# KiCad board Floppy Board v3.1.kicad_pcb (continued)
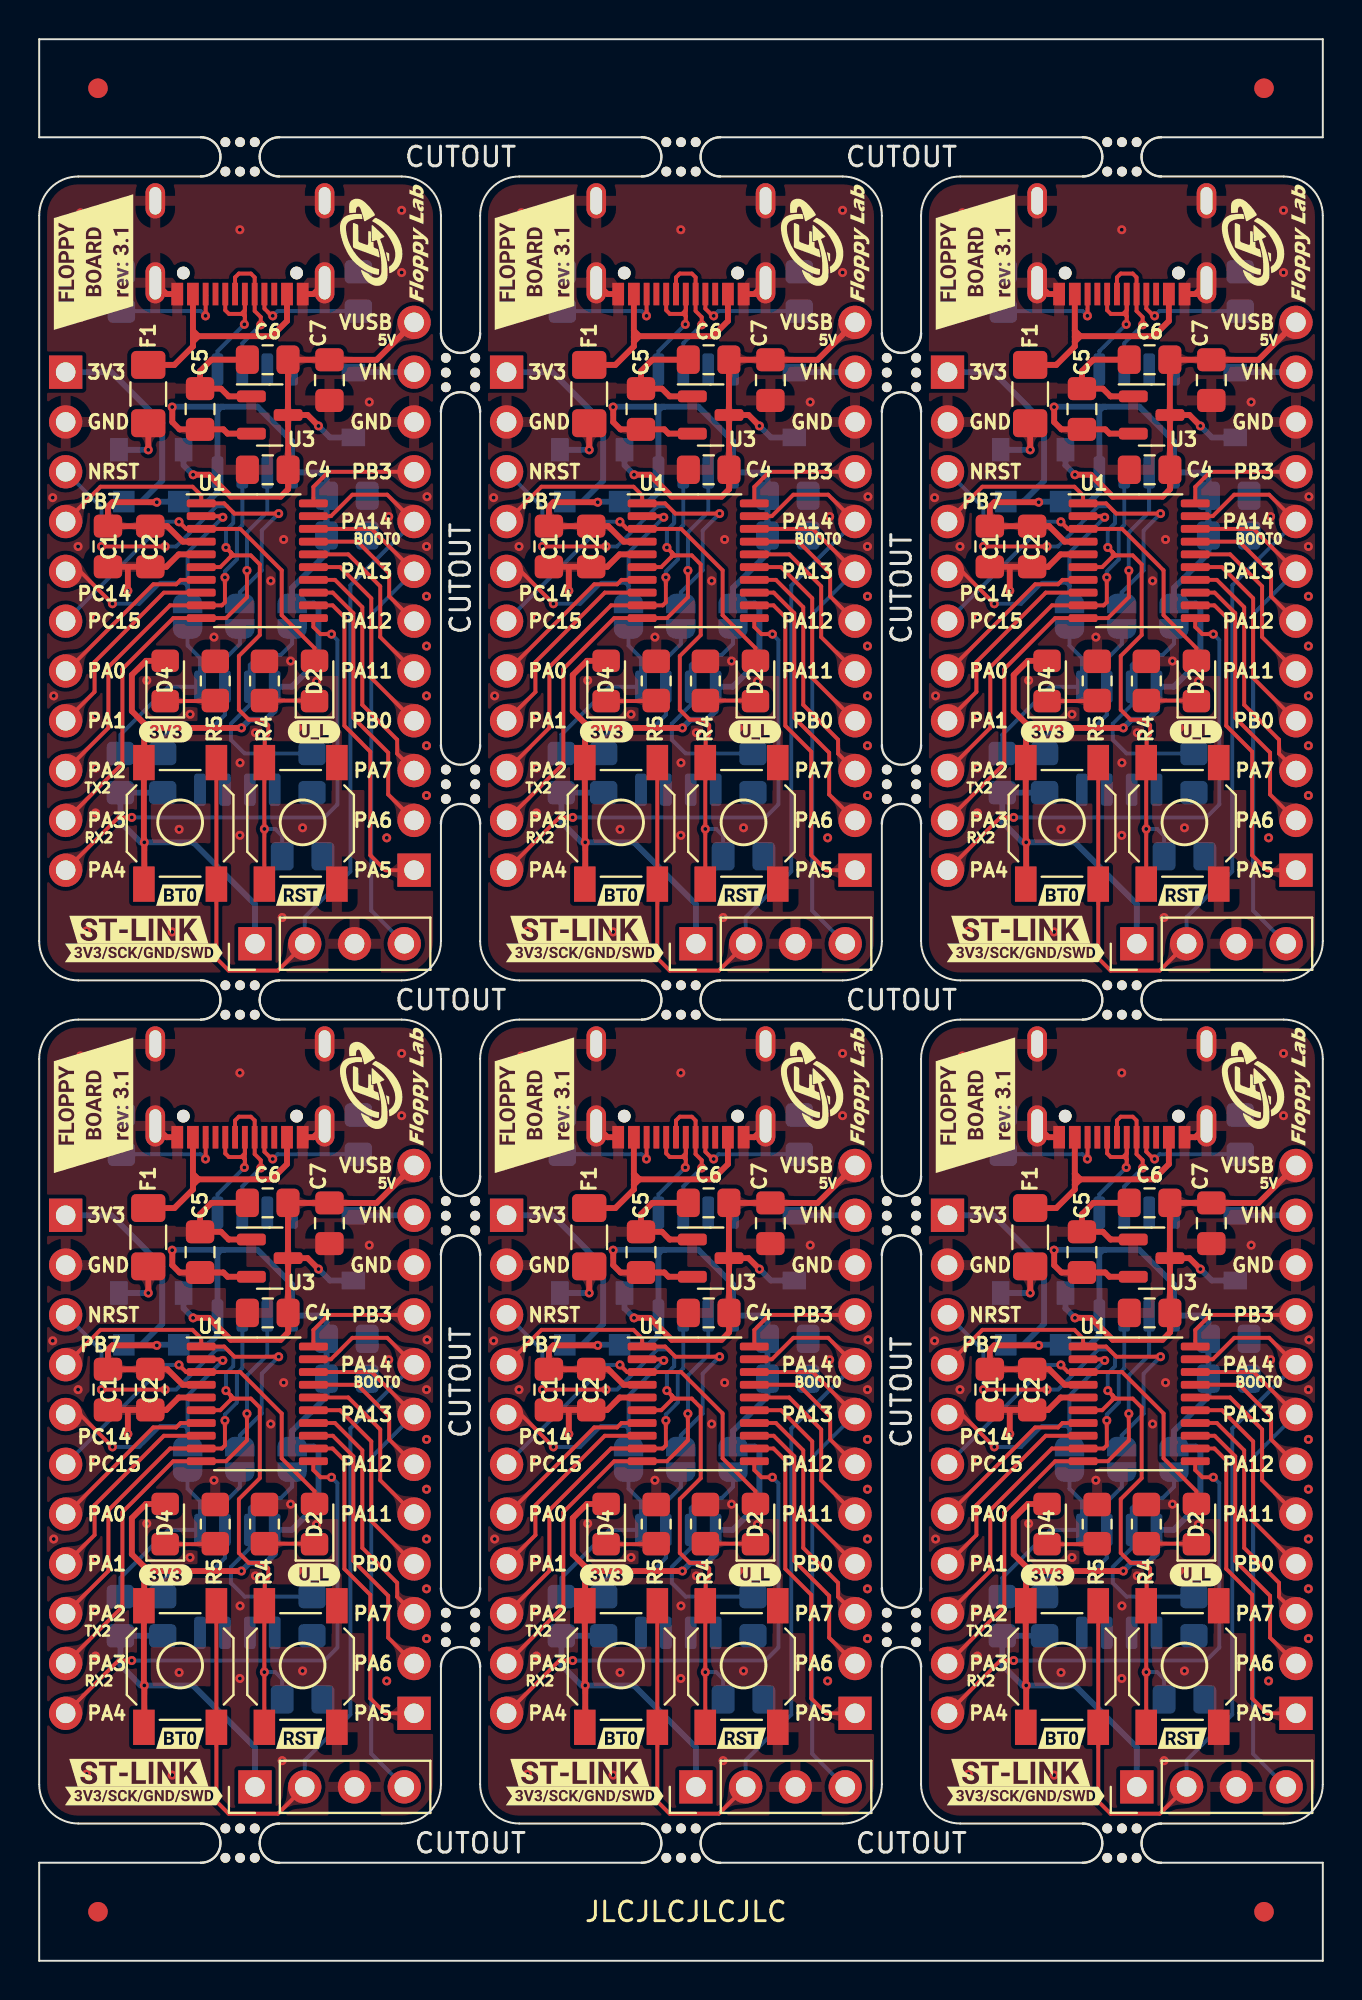
[diagram p0: board, top side]
## Copper pours and planes (outline as drawn; the poured copper is in the pictures) (continued)
PB7 on Top: 47.47,74.67 47.32,74.53 47.19,74.44 47.06,74.38 46.93,74.34 46.81,74.32 46.68,74.31 46.55,74.3 46.4,74.28 46.25,74.25 46.07,74.2 46.05,73.1 47.15,73.12 47.2,73.3 47.23,73.45 47.25,73.6 47.26,73.73 47.27,73.86 47.29,73.98 47.33,74.11 47.39,74.24 47.48,74.37 47.62,74.52
PB7 on Top: 2.47,31.67 2.32,31.53 2.19,31.44 2.06,31.38 1.93,31.34 1.81,31.32 1.68,31.31 1.55,31.3 1.4,31.28 1.25,31.25 1.07,31.2 1.05,30.1 2.15,30.12 2.2,30.3 2.23,30.45 2.25,30.6 2.26,30.73 2.27,30.86 2.29,30.98 2.33,31.11 2.39,31.24 2.48,31.37 2.62,31.52
PB7 on Top: 47.47,31.67 47.32,31.53 47.19,31.44 47.06,31.38 46.93,31.34 46.81,31.32 46.68,31.31 46.55,31.3 46.4,31.28 46.25,31.25 46.07,31.2 46.05,30.1 47.15,30.12 47.2,30.3 47.23,30.45 47.25,30.6 47.26,30.73 47.27,30.86 47.29,30.98 47.33,31.11 47.39,31.24 47.48,31.37 47.62,31.52
PB7 on Top: 24.97,74.67 24.82,74.53 24.69,74.44 24.56,74.38 24.43,74.34 24.31,74.32 24.18,74.31 24.05,74.3 23.9,74.28 23.75,74.25 23.57,74.2 23.55,73.1 24.65,73.12 24.7,73.3 24.73,73.45 24.75,73.6 24.76,73.73 24.77,73.86 24.79,73.98 24.83,74.11 24.89,74.24 24.98,74.37 25.12,74.52
PB7 on Top: 2.47,74.67 2.32,74.53 2.19,74.44 2.06,74.38 1.93,74.34 1.81,74.32 1.68,74.31 1.55,74.3 1.4,74.28 1.25,74.25 1.07,74.2 1.05,73.1 2.15,73.12 2.2,73.3 2.23,73.45 2.25,73.6 2.26,73.73 2.27,73.86 2.29,73.98 2.33,74.11 2.39,74.24 2.48,74.37 2.62,74.52
PC14 on Top: 2.87,70.22 2.73,70.37 2.61,70.51 2.52,70.63 2.45,70.75 2.33,70.97 2.26,71.08 2.18,71.2 2.08,71.32 1.95,71.46 0.93,70.92 1.62,70.05 1.75,70.1 1.87,70.15 1.99,70.2 2.1,70.24 2.2,70.27 2.3,70.28 2.4,70.27 2.51,70.24 2.62,70.17 2.73,70.08
PC14 on Top: 25.37,27.22 25.23,27.37 25.11,27.51 25.02,27.63 24.95,27.75 24.83,27.97 24.76,28.08 24.68,28.2 24.58,28.32 24.45,28.46 23.43,27.92 24.12,27.05 24.25,27.1 24.37,27.15 24.49,27.2 24.6,27.24 24.7,27.27 24.8,27.28 24.9,27.27 25.01,27.24 25.12,27.17 25.23,27.08
PC14 on Top: 2.87,27.22 2.73,27.37 2.61,27.51 2.52,27.63 2.45,27.75 2.33,27.97 2.26,28.08 2.18,28.2 2.08,28.32 1.95,28.46 0.93,27.92 1.62,27.05 1.75,27.1 1.87,27.15 1.99,27.2 2.1,27.24 2.2,27.27 2.3,27.28 2.4,27.27 2.51,27.24 2.62,27.17 2.73,27.08
PC14 on Top: 25.37,70.22 25.23,70.37 25.11,70.51 25.02,70.63 24.95,70.75 24.83,70.97 24.76,71.08 24.68,71.2 24.58,71.32 24.45,71.46 23.43,70.92 24.12,70.05 24.25,70.1 24.37,70.15 24.49,70.2 24.6,70.24 24.7,70.27 24.8,70.28 24.9,70.27 25.01,70.24 25.12,70.17 25.23,70.08
PC14 on Top: 47.87,27.22 47.73,27.37 47.61,27.51 47.52,27.63 47.45,27.75 47.33,27.97 47.26,28.08 47.18,28.2 47.08,28.32 46.95,28.46 45.93,27.92 46.62,27.05 46.75,27.1 46.87,27.15 46.99,27.2 47.1,27.24 47.2,27.27 47.3,27.28 47.4,27.27 47.51,27.24 47.62,27.17 47.73,27.08
PC14 on Top: 47.87,70.22 47.73,70.37 47.61,70.51 47.52,70.63 47.45,70.75 47.33,70.97 47.26,71.08 47.18,71.2 47.08,71.32 46.95,71.46 45.93,70.92 46.62,70.05 46.75,70.1 46.87,70.15 46.99,70.2 47.1,70.24 47.2,70.27 47.3,70.28 47.4,70.27 47.51,70.24 47.62,70.17 47.73,70.08
PC15 on Top: 13.62,67.23 13.68,67.16 13.72,67.09 13.74,67.03 13.74,66.97 13.72,66.9 13.69,66.84 13.66,66.77 13.57,66.63 13.53,66.55 14.05,66.01 14.46,66.7 13.86,67.28 13.76,67.38
PC15 on Top: 36.12,67.23 36.18,67.16 36.22,67.09 36.24,67.03 36.24,66.97 36.22,66.9 36.19,66.84 36.16,66.77 36.07,66.63 36.03,66.55 36.55,66.01 36.96,66.7 36.36,67.28 36.26,67.38
PC15 on Top: 58.62,24.23 58.68,24.16 58.72,24.09 58.74,24.03 58.74,23.97 58.72,23.9 58.69,23.84 58.66,23.77 58.57,23.63 58.53,23.55 59.05,23.01 59.46,23.7 58.86,24.28 58.76,24.38
PC15 on Top: 58.62,67.23 58.68,67.16 58.72,67.09 58.74,67.03 58.74,66.97 58.72,66.9 58.69,66.84 58.66,66.77 58.57,66.63 58.53,66.55 59.05,66.01 59.46,66.7 58.86,67.28 58.76,67.38
PC15 on Top: 36.12,24.23 36.18,24.16 36.22,24.09 36.24,24.03 36.24,23.97 36.22,23.9 36.19,23.84 36.16,23.77 36.07,23.63 36.03,23.55 36.55,23.01 36.96,23.7 36.36,24.28 36.26,24.38
PC15 on Top: 13.62,24.23 13.68,24.16 13.72,24.09 13.74,24.03 13.74,23.97 13.72,23.9 13.69,23.84 13.66,23.77 13.57,23.63 13.53,23.55 14.05,23.01 14.46,23.7 13.86,24.28 13.76,24.38
PC15 on Bottom: 47.47,69.59 47.32,69.45 47.19,69.36 47.06,69.3 46.93,69.26 46.81,69.24 46.68,69.23 46.55,69.22 46.4,69.2 46.25,69.17 46.07,69.12 46.05,68.02 47.15,68.04 47.2,68.22 47.23,68.37 47.25,68.52 47.26,68.65 47.27,68.78 47.29,68.9 47.33,69.03 47.39,69.16 47.48,69.29 47.62,69.44
PC15 on Bottom: 24.97,69.59 24.82,69.45 24.69,69.36 24.56,69.3 24.43,69.26 24.31,69.24 24.18,69.23 24.05,69.22 23.9,69.2 23.75,69.17 23.57,69.12 23.55,68.02 24.65,68.04 24.7,68.22 24.73,68.37 24.75,68.52 24.76,68.65 24.77,68.78 24.79,68.9 24.83,69.03 24.89,69.16 24.98,69.29 25.12,69.44
PC15 on Bottom: 2.47,69.59 2.32,69.45 2.19,69.36 2.06,69.3 1.93,69.26 1.81,69.24 1.68,69.23 1.55,69.22 1.4,69.2 1.25,69.17 1.07,69.12 1.05,68.02 2.15,68.04 2.2,68.22 2.23,68.37 2.25,68.52 2.26,68.65 2.27,68.78 2.29,68.9 2.33,69.03 2.39,69.16 2.48,69.29 2.62,69.44
PC15 on Bottom: 24.97,26.59 24.82,26.45 24.69,26.36 24.56,26.3 24.43,26.26 24.31,26.24 24.18,26.23 24.05,26.22 23.9,26.2 23.75,26.17 23.57,26.12 23.55,25.02 24.65,25.04 24.7,25.22 24.73,25.37 24.75,25.52 24.76,25.65 24.77,25.78 24.79,25.9 24.83,26.03 24.89,26.16 24.98,26.29 25.12,26.44
PC15 on Bottom: 47.47,26.59 47.32,26.45 47.19,26.36 47.06,26.3 46.93,26.26 46.81,26.24 46.68,26.23 46.55,26.22 46.4,26.2 46.25,26.17 46.07,26.12 46.05,25.02 47.15,25.04 47.2,25.22 47.23,25.37 47.25,25.52 47.26,25.65 47.27,25.78 47.29,25.9 47.33,26.03 47.39,26.16 47.48,26.29 47.62,26.44
PC15 on Bottom: 2.47,26.59 2.32,26.45 2.19,26.36 2.06,26.3 1.93,26.26 1.81,26.24 1.68,26.23 1.55,26.22 1.4,26.2 1.25,26.17 1.07,26.12 1.05,25.02 2.15,25.04 2.2,25.22 2.23,25.37 2.25,25.52 2.26,25.65 2.27,25.78 2.29,25.9 2.33,26.03 2.39,26.16 2.48,26.29 2.62,26.44
Net-(D2-Pad1) on Top: 57.9,64.17 58.03,64.17 58.14,64.15 58.23,64.12 58.31,64.08 58.38,64.03 58.45,63.98 58.51,63.92 58.59,63.86 58.67,63.8 58.78,63.74 59.34,64.23 58.82,64.77 58.71,64.72 58.62,64.67 58.54,64.61 58.47,64.56 58.4,64.51 58.32,64.46 58.24,64.43 58.15,64.4 58.04,64.38 57.9,64.37
Net-(D2-Pad1) on Top: 35.19,21.37 35.05,21.38 34.93,21.4 34.83,21.43 34.75,21.47 34.68,21.52 34.61,21.57 34.54,21.63 34.46,21.69 34.37,21.75 34.26,21.81 33.7,21.27 34.26,20.73 34.37,20.79 34.46,20.85 34.54,20.91 34.61,20.97 34.68,21.03 34.75,21.07 34.83,21.11 34.93,21.15 35.05,21.17 35.19,21.17
Net-(D2-Pad1) on Top: 35.4,64.17 35.53,64.17 35.64,64.15 35.73,64.12 35.81,64.08 35.88,64.03 35.95,63.98 36.01,63.92 36.09,63.86 36.17,63.8 36.28,63.74 36.84,64.23 36.32,64.77 36.21,64.72 36.12,64.67 36.04,64.61 35.97,64.56 35.9,64.51 35.82,64.46 35.74,64.43 35.65,64.4 35.54,64.38 35.4,64.37
Net-(D2-Pad1) on Top: 35.4,21.17 35.53,21.17 35.64,21.15 35.73,21.12 35.81,21.08 35.88,21.03 35.95,20.98 36.01,20.92 36.09,20.86 36.17,20.8 36.28,20.74 36.84,21.23 36.32,21.77 36.21,21.72 36.12,21.67 36.04,21.61 35.97,21.56 35.9,21.51 35.82,21.46 35.74,21.43 35.65,21.4 35.54,21.38 35.4,21.37
Net-(D2-Pad1) on Top: 35.19,64.37 35.05,64.38 34.93,64.4 34.83,64.43 34.75,64.47 34.68,64.52 34.61,64.57 34.54,64.63 34.46,64.69 34.37,64.75 34.26,64.81 33.7,64.27 34.26,63.73 34.37,63.79 34.46,63.85 34.54,63.91 34.61,63.97 34.68,64.03 34.75,64.07 34.83,64.11 34.93,64.15 35.05,64.17 35.19,64.17
Net-(D2-Pad1) on Top: 12.9,21.17 13.03,21.17 13.14,21.15 13.23,21.12 13.31,21.08 13.38,21.03 13.45,20.98 13.51,20.92 13.59,20.86 13.67,20.8 13.78,20.74 14.34,21.23 13.82,21.77 13.71,21.72 13.62,21.67 13.54,21.61 13.47,21.56 13.4,21.51 13.32,21.46 13.24,21.43 13.15,21.4 13.04,21.38 12.9,21.37
Net-(D2-Pad1) on Top: 12.69,21.37 12.55,21.38 12.43,21.4 12.33,21.43 12.25,21.47 12.18,21.52 12.11,21.57 12.04,21.63 11.96,21.69 11.87,21.75 11.76,21.81 11.2,21.27 11.76,20.73 11.87,20.79 11.96,20.85 12.04,20.91 12.11,20.97 12.18,21.03 12.25,21.07 12.33,21.11 12.43,21.15 12.55,21.17 12.69,21.17
Net-(D2-Pad1) on Top: 57.69,64.37 57.55,64.38 57.43,64.4 57.33,64.43 57.25,64.47 57.18,64.52 57.11,64.57 57.04,64.63 56.96,64.69 56.87,64.75 56.76,64.81 56.2,64.27 56.76,63.73 56.87,63.79 56.96,63.85 57.04,63.91 57.11,63.97 57.18,64.03 57.25,64.07 57.33,64.11 57.43,64.15 57.55,64.17 57.69,64.17
Net-(D2-Pad1) on Top: 12.9,64.17 13.03,64.17 13.14,64.15 13.23,64.12 13.31,64.08 13.38,64.03 13.45,63.98 13.51,63.92 13.59,63.86 13.67,63.8 13.78,63.74 14.34,64.23 13.82,64.77 13.71,64.72 13.62,64.67 13.54,64.61 13.47,64.56 13.4,64.51 13.32,64.46 13.24,64.43 13.15,64.4 13.04,64.38 12.9,64.37
Net-(D2-Pad1) on Top: 57.9,21.17 58.03,21.17 58.14,21.15 58.23,21.12 58.31,21.08 58.38,21.03 58.45,20.98 58.51,20.92 58.59,20.86 58.67,20.8 58.78,20.74 59.34,21.23 58.82,21.77 58.71,21.72 58.62,21.67 58.54,21.61 58.47,21.56 58.4,21.51 58.32,21.46 58.24,21.43 58.15,21.4 58.04,21.38 57.9,21.37
Net-(D2-Pad1) on Top: 57.69,21.37 57.55,21.38 57.43,21.4 57.33,21.43 57.25,21.47 57.18,21.52 57.11,21.57 57.04,21.63 56.96,21.69 56.87,21.75 56.76,21.81 56.2,21.27 56.76,20.73 56.87,20.79 56.96,20.85 57.04,20.91 57.11,20.97 57.18,21.03 57.25,21.07 57.33,21.11 57.43,21.15 57.55,21.17 57.69,21.17
Net-(D2-Pad1) on Top: 12.69,64.37 12.55,64.38 12.43,64.4 12.33,64.43 12.25,64.47 12.18,64.52 12.11,64.57 12.04,64.63 11.96,64.69 11.87,64.75 11.76,64.81 11.2,64.27 11.76,63.73 11.87,63.79 11.96,63.85 12.04,63.91 12.11,63.97 12.18,64.03 12.25,64.07 12.33,64.11 12.43,64.15 12.55,64.17 12.69,64.17
Net-(D4-Pad1) on Top: 52.58,21.35 52.44,21.35 52.33,21.37 52.24,21.4 52.16,21.44 52.09,21.48 52.02,21.54 51.95,21.59 51.88,21.65 51.79,21.71 51.68,21.76 51.14,21.25 51.68,20.73 51.79,20.79 51.88,20.85 51.95,20.9 52.02,20.96 52.09,21.01 52.16,21.05 52.24,21.09 52.33,21.12 52.44,21.14 52.58,21.15
Net-(D4-Pad1) on Top: 30.28,21.15 30.42,21.14 30.54,21.12 30.64,21.09 30.73,21.05 30.8,21 30.87,20.95 30.95,20.9 31.03,20.84 31.13,20.78 31.25,20.72 31.78,21.28 31.2,21.8 31.09,21.74 31,21.67 30.92,21.61 30.85,21.55 30.78,21.49 30.71,21.45 30.63,21.4 30.53,21.37 30.42,21.35 30.28,21.35
Net-(D4-Pad1) on Top: 52.78,64.15 52.92,64.14 53.04,64.12 53.14,64.09 53.23,64.05 53.3,64 53.37,63.95 53.45,63.9 53.53,63.84 53.63,63.78 53.75,63.72 54.28,64.28 53.7,64.8 53.59,64.74 53.5,64.67 53.42,64.61 53.35,64.55 53.28,64.49 53.21,64.45 53.13,64.4 53.03,64.37 52.92,64.35 52.78,64.35
Net-(D4-Pad1) on Top: 30.08,64.35 29.94,64.35 29.83,64.37 29.74,64.4 29.66,64.44 29.59,64.48 29.52,64.54 29.45,64.59 29.38,64.65 29.29,64.71 29.18,64.76 28.64,64.25 29.18,63.73 29.29,63.79 29.38,63.85 29.45,63.9 29.52,63.96 29.59,64.01 29.66,64.05 29.74,64.09 29.83,64.12 29.94,64.14 30.08,64.15
Net-(D4-Pad1) on Top: 7.78,21.15 7.92,21.14 8.04,21.12 8.14,21.09 8.23,21.05 8.3,21 8.37,20.95 8.45,20.9 8.53,20.84 8.63,20.78 8.75,20.72 9.28,21.28 8.7,21.8 8.59,21.74 8.5,21.67 8.42,21.61 8.35,21.55 8.28,21.49 8.21,21.45 8.13,21.4 8.03,21.37 7.92,21.35 7.78,21.35
Net-(D4-Pad1) on Top: 30.28,64.15 30.42,64.14 30.54,64.12 30.64,64.09 30.73,64.05 30.8,64 30.87,63.95 30.95,63.9 31.03,63.84 31.13,63.78 31.25,63.72 31.78,64.28 31.2,64.8 31.09,64.74 31,64.67 30.92,64.61 30.85,64.55 30.78,64.49 30.71,64.45 30.63,64.4 30.53,64.37 30.42,64.35 30.28,64.35
Net-(D4-Pad1) on Top: 52.58,64.35 52.44,64.35 52.33,64.37 52.24,64.4 52.16,64.44 52.09,64.48 52.02,64.54 51.95,64.59 51.88,64.65 51.79,64.71 51.68,64.76 51.14,64.25 51.68,63.73 51.79,63.79 51.88,63.85 51.95,63.9 52.02,63.96 52.09,64.01 52.16,64.05 52.24,64.09 52.33,64.12 52.44,64.14 52.58,64.15
Net-(D4-Pad1) on Top: 52.78,21.15 52.92,21.14 53.04,21.12 53.14,21.09 53.23,21.05 53.3,21 53.37,20.95 53.45,20.9 53.53,20.84 53.63,20.78 53.75,20.72 54.28,21.28 53.7,21.8 53.59,21.74 53.5,21.67 53.42,21.61 53.35,21.55 53.28,21.49 53.21,21.45 53.13,21.4 53.03,21.37 52.92,21.35 52.78,21.35
Net-(D4-Pad1) on Top: 30.08,21.35 29.94,21.35 29.83,21.37 29.74,21.4 29.66,21.44 29.59,21.48 29.52,21.54 29.45,21.59 29.38,21.65 29.29,21.71 29.18,21.76 28.64,21.25 29.18,20.73 29.29,20.79 29.38,20.85 29.45,20.9 29.52,20.96 29.59,21.01 29.66,21.05 29.74,21.09 29.83,21.12 29.94,21.14 30.08,21.15
Net-(D4-Pad1) on Top: 7.78,64.15 7.92,64.14 8.04,64.12 8.14,64.09 8.23,64.05 8.3,64 8.37,63.95 8.45,63.9 8.53,63.84 8.63,63.78 8.75,63.72 9.28,64.28 8.7,64.8 8.59,64.74 8.5,64.67 8.42,64.61 8.35,64.55 8.28,64.49 8.21,64.45 8.13,64.4 8.03,64.37 7.92,64.35 7.78,64.35
Net-(D4-Pad1) on Top: 7.58,64.35 7.44,64.35 7.33,64.37 7.24,64.4 7.16,64.44 7.09,64.48 7.02,64.54 6.95,64.59 6.88,64.65 6.79,64.71 6.68,64.76 6.14,64.25 6.68,63.73 6.79,63.79 6.88,63.85 6.95,63.9 7.02,63.96 7.09,64.01 7.16,64.05 7.24,64.09 7.33,64.12 7.44,64.14 7.58,64.15
Net-(D4-Pad1) on Top: 7.58,21.35 7.44,21.35 7.33,21.37 7.24,21.4 7.16,21.44 7.09,21.48 7.02,21.54 6.95,21.59 6.88,21.65 6.79,21.71 6.68,21.76 6.14,21.25 6.68,20.73 6.79,20.79 6.88,20.85 6.95,20.9 7.02,20.96 7.09,21.01 7.16,21.05 7.24,21.09 7.33,21.12 7.44,21.14 7.58,21.15
Net-(J2-Pad4) on Bottom: 60.1,84.03 60.24,84.03 60.35,84.01 60.45,83.98 60.53,83.94 60.6,83.89 60.67,83.83 60.74,83.78 60.82,83.72 60.91,83.66 61.02,83.59 61.59,84.13 61.02,84.67 60.91,84.61 60.82,84.55 60.74,84.49 60.67,84.43 60.6,84.38 60.53,84.33 60.45,84.29 60.35,84.26 60.24,84.24 60.1,84.23
Net-(J2-Pad4) on Bottom: 15.1,84.03 15.24,84.03 15.35,84.01 15.45,83.98 15.53,83.94 15.6,83.89 15.67,83.83 15.74,83.78 15.82,83.72 15.91,83.66 16.02,83.59 16.59,84.13 16.02,84.67 15.91,84.61 15.82,84.55 15.74,84.49 15.67,84.43 15.6,84.38 15.53,84.33 15.45,84.29 15.35,84.26 15.24,84.24 15.1,84.23
Net-(J2-Pad4) on Bottom: 15.1,41.03 15.24,41.03 15.35,41.01 15.45,40.98 15.53,40.94 15.6,40.89 15.67,40.83 15.74,40.78 15.82,40.72 15.91,40.66 16.02,40.59 16.59,41.13 16.02,41.67 15.91,41.61 15.82,41.55 15.74,41.49 15.67,41.43 15.6,41.38 15.53,41.33 15.45,41.29 15.35,41.26 15.24,41.24 15.1,41.23
Net-(J2-Pad4) on Bottom: 60.1,41.03 60.24,41.03 60.35,41.01 60.45,40.98 60.53,40.94 60.6,40.89 60.67,40.83 60.74,40.78 60.82,40.72 60.91,40.66 61.02,40.59 61.59,41.13 61.02,41.67 60.91,41.61 60.82,41.55 60.74,41.49 60.67,41.43 60.6,41.38 60.53,41.33 60.45,41.29 60.35,41.26 60.24,41.24 60.1,41.23
Net-(J2-Pad4) on Bottom: 37.6,41.03 37.74,41.03 37.85,41.01 37.95,40.98 38.03,40.94 38.1,40.89 38.17,40.83 38.24,40.78 38.32,40.72 38.41,40.66 38.52,40.59 39.09,41.13 38.52,41.67 38.41,41.61 38.32,41.55 38.24,41.49 38.17,41.43 38.1,41.38 38.03,41.33 37.95,41.29 37.85,41.26 37.74,41.24 37.6,41.23
Net-(J2-Pad4) on Bottom: 37.6,84.03 37.74,84.03 37.85,84.01 37.95,83.98 38.03,83.94 38.1,83.89 38.17,83.83 38.24,83.78 38.32,83.72 38.41,83.66 38.52,83.59 39.09,84.13 38.52,84.67 38.41,84.61 38.32,84.55 38.24,84.49 38.17,84.43 38.1,84.38 38.03,84.33 37.95,84.29 37.85,84.26 37.74,84.24 37.6,84.23
Net-(J2-Pad10) on Bottom: 5.38,41.23 5.24,41.24 5.13,41.26 5.03,41.29 4.95,41.33 4.88,41.38 4.81,41.43 4.74,41.49 4.66,41.55 4.57,41.61 4.46,41.67 3.89,41.13 4.46,40.59 4.57,40.66 4.66,40.72 4.74,40.78 4.81,40.83 4.88,40.89 4.95,40.94 5.03,40.98 5.13,41.01 5.24,41.03 5.38,41.03
Net-(J2-Pad10) on Bottom: 27.88,41.23 27.74,41.24 27.63,41.26 27.53,41.29 27.45,41.33 27.38,41.38 27.31,41.43 27.24,41.49 27.16,41.55 27.07,41.61 26.96,41.67 26.39,41.13 26.96,40.59 27.07,40.66 27.16,40.72 27.24,40.78 27.31,40.83 27.38,40.89 27.45,40.94 27.53,40.98 27.63,41.01 27.74,41.03 27.88,41.03
Net-(J2-Pad10) on Bottom: 5.38,84.23 5.24,84.24 5.13,84.26 5.03,84.29 4.95,84.33 4.88,84.38 4.81,84.43 4.74,84.49 4.66,84.55 4.57,84.61 4.46,84.67 3.89,84.13 4.46,83.59 4.57,83.66 4.66,83.72 4.74,83.78 4.81,83.83 4.88,83.89 4.95,83.94 5.03,83.98 5.13,84.01 5.24,84.03 5.38,84.03
Net-(J2-Pad10) on Bottom: 27.88,84.23 27.74,84.24 27.63,84.26 27.53,84.29 27.45,84.33 27.38,84.38 27.31,84.43 27.24,84.49 27.16,84.55 27.07,84.61 26.96,84.67 26.39,84.13 26.96,83.59 27.07,83.66 27.16,83.72 27.24,83.78 27.31,83.83 27.38,83.89 27.45,83.94 27.53,83.98 27.63,84.01 27.74,84.03 27.88,84.03
Net-(J2-Pad10) on Bottom: 50.38,41.23 50.24,41.24 50.13,41.26 50.03,41.29 49.95,41.33 49.88,41.38 49.81,41.43 49.74,41.49 49.66,41.55 49.57,41.61 49.46,41.67 48.89,41.13 49.46,40.59 49.57,40.66 49.66,40.72 49.74,40.78 49.81,40.83 49.88,40.89 49.95,40.94 50.03,40.98 50.13,41.01 50.24,41.03 50.38,41.03
Net-(J2-Pad10) on Bottom: 50.38,84.23 50.24,84.24 50.13,84.26 50.03,84.29 49.95,84.33 49.88,84.38 49.81,84.43 49.74,84.49 49.66,84.55 49.57,84.61 49.46,84.67 48.89,84.13 49.46,83.59 49.57,83.66 49.66,83.72 49.74,83.78 49.81,83.83 49.88,83.89 49.95,83.94 50.03,83.98 50.13,84.01 50.24,84.03 50.38,84.03
Net-(JP1-Pad1) on Bottom: 4.25,19.77 4.16,19.68 4.09,19.59 4.04,19.51 4,19.44 3.94,19.3 3.9,19.23 3.85,19.16 3.8,19.08 3.72,19 4.14,18.27 4.68,18.83 4.63,18.93 4.56,19.02 4.49,19.1 4.42,19.17 4.36,19.25 4.32,19.32 4.29,19.39 4.29,19.46 4.32,19.54 4.39,19.63
Net-(JP1-Pad1) on Bottom: 26.75,19.77 26.66,19.68 26.59,19.59 26.54,19.51 26.5,19.44 26.44,19.3 26.4,19.23 26.35,19.16 26.3,19.08 26.22,19 26.64,18.27 27.18,18.83 27.13,18.93 27.06,19.02 26.99,19.1 26.92,19.17 26.86,19.25 26.82,19.32 26.79,19.39 26.79,19.46 26.82,19.54 26.89,19.63
Net-(JP1-Pad1) on Bottom: 49.25,19.77 49.16,19.68 49.09,19.59 49.04,19.51 49,19.44 48.94,19.3 48.9,19.23 48.85,19.16 48.8,19.08 48.72,19 49.14,18.27 49.68,18.83 49.63,18.93 49.56,19.02 49.49,19.1 49.42,19.17 49.36,19.25 49.32,19.32 49.29,19.39 49.29,19.46 49.32,19.54 49.39,19.63
Net-(JP1-Pad1) on Bottom: 26.75,62.77 26.66,62.68 26.59,62.59 26.54,62.51 26.5,62.44 26.44,62.3 26.4,62.23 26.35,62.16 26.3,62.08 26.22,62 26.64,61.27 27.18,61.83 27.13,61.93 27.06,62.02 26.99,62.1 26.92,62.17 26.86,62.25 26.82,62.32 26.79,62.39 26.79,62.46 26.82,62.54 26.89,62.63
Net-(JP1-Pad1) on Bottom: 4.25,62.77 4.16,62.68 4.09,62.59 4.04,62.51 4,62.44 3.94,62.3 3.9,62.23 3.85,62.16 3.8,62.08 3.72,62 4.14,61.27 4.68,61.83 4.63,61.93 4.56,62.02 4.49,62.1 4.42,62.17 4.36,62.25 4.32,62.32 4.29,62.39 4.29,62.46 4.32,62.54 4.39,62.63
Net-(JP1-Pad1) on Bottom: 49.25,62.77 49.16,62.68 49.09,62.59 49.04,62.51 49,62.44 48.94,62.3 48.9,62.23 48.85,62.16 48.8,62.08 48.72,62 49.14,61.27 49.68,61.83 49.63,61.93 49.56,62.02 49.49,62.1 49.42,62.17 49.36,62.25 49.32,62.32 49.29,62.39 49.29,62.46 49.32,62.54 49.39,62.63
Net-(JP2-Pad1) on Bottom: 6.49,19.73 6.4,19.64 6.33,19.56 6.27,19.48 6.22,19.41 6.13,19.29 6.08,19.22 6.03,19.16 5.96,19.08 5.88,19 6.3,18.27 6.84,18.83 6.79,18.92 6.74,19.01 6.62,19.16 6.58,19.23 6.55,19.3 6.53,19.37 6.54,19.44 6.57,19.51 6.64,19.59
Net-(JP2-Pad1) on Bottom: 28.99,62.73 28.9,62.64 28.83,62.56 28.77,62.48 28.72,62.41 28.63,62.29 28.58,62.22 28.53,62.16 28.46,62.08 28.38,62 28.8,61.27 29.34,61.83 29.29,61.92 29.24,62.01 29.12,62.16 29.08,62.23 29.05,62.3 29.03,62.37 29.04,62.44 29.07,62.51 29.14,62.59
Net-(JP2-Pad1) on Bottom: 6.49,62.73 6.4,62.64 6.33,62.56 6.27,62.48 6.22,62.41 6.13,62.29 6.08,62.22 6.03,62.16 5.96,62.08 5.88,62 6.3,61.27 6.84,61.83 6.79,61.92 6.74,62.01 6.62,62.16 6.58,62.23 6.55,62.3 6.53,62.37 6.54,62.44 6.57,62.51 6.64,62.59
Net-(JP2-Pad1) on Bottom: 51.49,62.73 51.4,62.64 51.33,62.56 51.27,62.48 51.22,62.41 51.13,62.29 51.08,62.22 51.03,62.16 50.96,62.08 50.88,62 51.3,61.27 51.84,61.83 51.79,61.92 51.74,62.01 51.62,62.16 51.58,62.23 51.55,62.3 51.53,62.37 51.54,62.44 51.57,62.51 51.64,62.59
Net-(JP2-Pad1) on Bottom: 51.49,19.73 51.4,19.64 51.33,19.56 51.27,19.48 51.22,19.41 51.13,19.29 51.08,19.22 51.03,19.16 50.96,19.08 50.88,19 51.3,18.27 51.84,18.83 51.79,18.92 51.74,19.01 51.62,19.16 51.58,19.23 51.55,19.3 51.53,19.37 51.54,19.44 51.57,19.51 51.64,19.59
Net-(JP2-Pad1) on Bottom: 28.99,19.73 28.9,19.64 28.83,19.56 28.77,19.48 28.72,19.41 28.63,19.29 28.58,19.22 28.53,19.16 28.46,19.08 28.38,19 28.8,18.27 29.34,18.83 29.29,18.92 29.24,19.01 29.12,19.16 29.08,19.23 29.05,19.3 29.03,19.37 29.04,19.44 29.07,19.51 29.14,19.59

Small or netless copper shapes (teardrops, artwork), in the pictures only: 372 on Top, 312 on Bottom

## Text on the board
Edge.Cuts: CUTOUT
F.Silkscreen: TX2 | RX2 | BOOT0 | 5V | PC14 | PB7 | 3V3 | GND | NRST | PC15 | PA0 | PA1 | PA2 | PA3 | PA4 | VUSB | VIN | PB3 | PA14 | PA13 | PA12 | PA11 | PB0 | PA7 | PA6 | PA5 | JLCJLCJLCJLC
